# Altium PCB PCB.PcbDoc
Units mm, origin at the board's own origin, x right, y up, seen from the top; angles counter-clockwise.
Board outline 190 x 95 mm, 2 copper layers (Top Layer, Bottom Layer); 98 components, 57 nets, 247 pads, 1 vias.
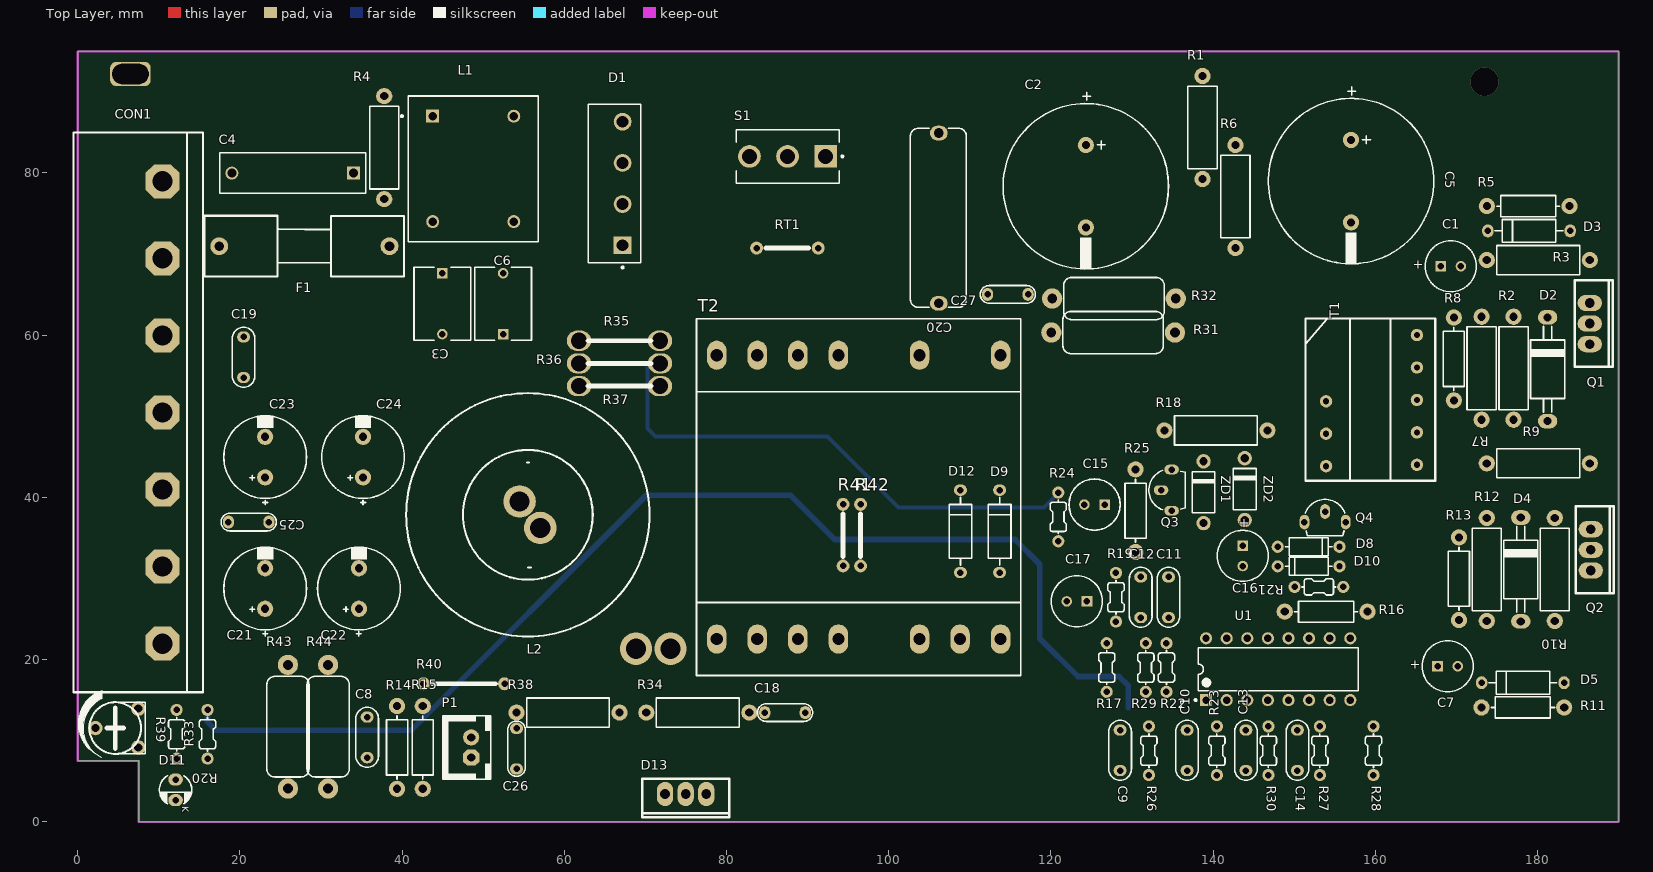
[diagram p0: Top Layer view]
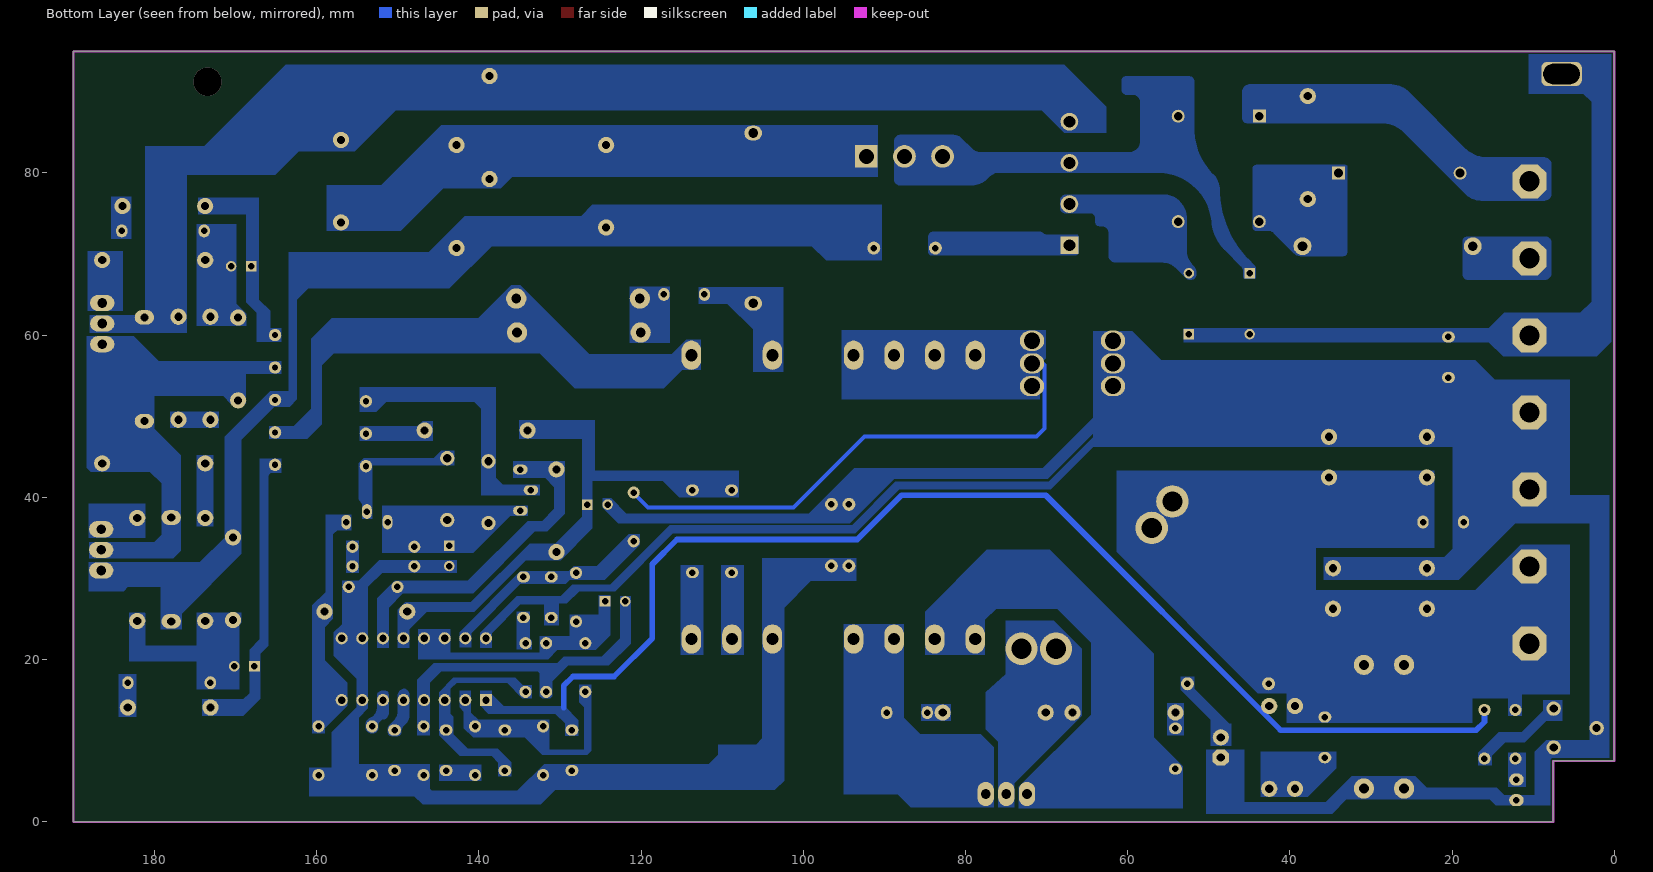
[diagram p1: Bottom Layer view, seen from below]
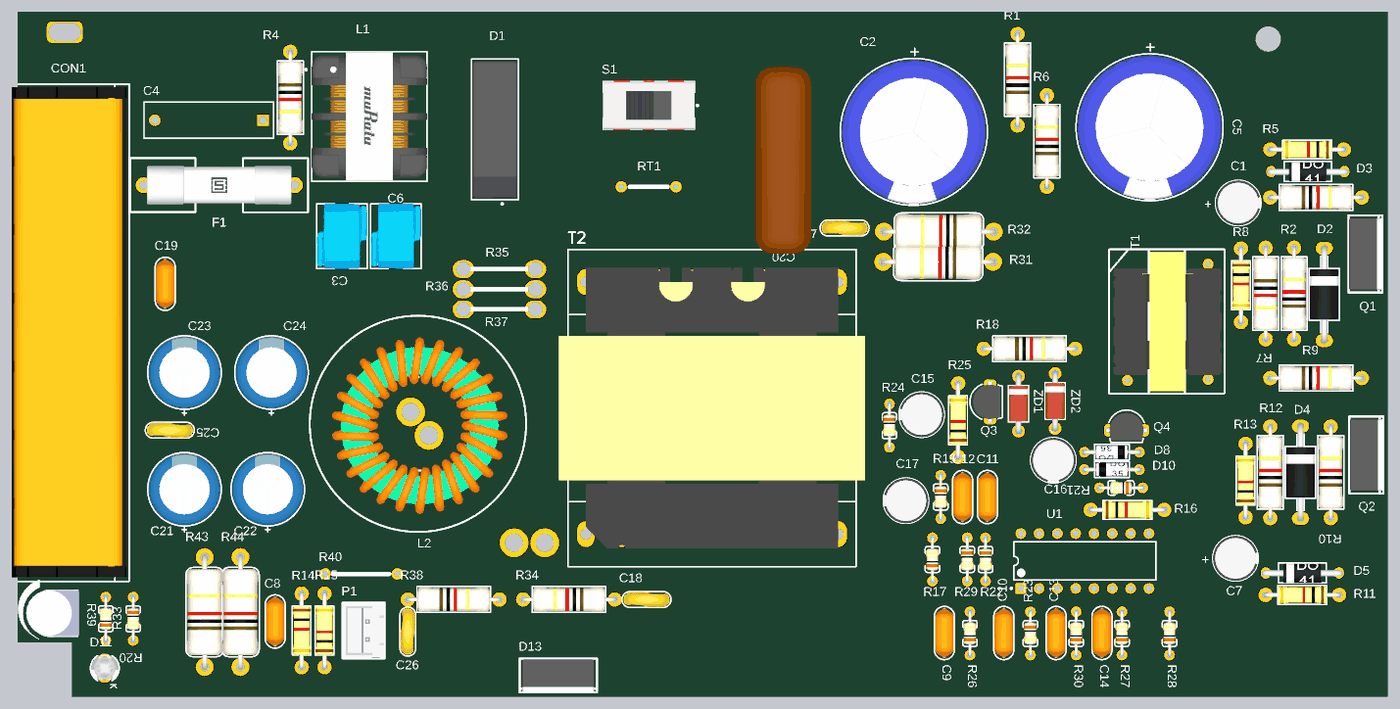
[diagram p2: 3D render of the assembled board from above, using the file's embedded part models]

## Layer stack, top to bottom
Top Solder: solder mask 0.0102, Solder Resist, Dk 3.5
Top Layer: signal copper 0.0356
Dielectric 1: dielectric 0.32, FR-4, Dk 4.8
Bottom Layer: signal copper 0.0356
Bottom Solder: solder mask 0.0102, Solder Resist, Dk 3.5

## Board outline
0,7.499 0,95 190,95 190,0 7.526,0 7.526,7.499

## Design rules (kind name [scope] priority, off if disabled: settings)
Clearance [All] p1: gap=0.254 ignorepadtopadclearanceinfootprint=FALSE except(0: Arc-Hole Track-Hole SMDPad-Hole THPad-Hole Via-Hole Fill-Hole Poly-Hole Region-Hole Text-Hole)
PolygonConnect [All] p1: connectstyle=Direct reliefconductorwidth=0.254 reliefentries=4 polygonreliefangle="90 Angle" airgapwidth=0.254
RoutingVias [All] p1: holewidth=0.711 width=1.27 viastyle="Through Hole" minholewidth=0.711 minwidth=1.27 maxholewidth=0.711 maxwidth=1.27
SolderMaskExpansion [All] p1: expansion=0.102 istentingtop=FALSE
Width [All] p1: maxlimit=4 minlimit=0.254 preferedwidth=0.7
30 further rules are at their usual default settings.

## Components (designator, comment, footprint, x,y, rotation, side; value= is the part's Value field where it differs from the comment)
C1 "4.7uF, 50V" CAP-P2.54-D6 169.291,68.498 r0 top
C2 "330uF, 200V" C_EL_20X35 124.297,78.359 r270 top
C3 "2.2nf, 400V" C_CER_D7C 44.958,63.881 r270 top
C4 "220nF, 305V" CAP-pitch15 26.5,79.978 r180 top
C5 "330uF, 200V" C_EL_20X35 156.995,78.994 r270 top
C6 "2.2nf, 400V" C_CER_D7C 52.451,63.881 r90 top
C7 "4.7uF, 50V" CAP-P2.54-D6 168.91,19.177 r0 top
C8 "33nf, 100V" RAD0.2-1 35.687,10.414 r270 top
C9 "10nf, 100V" RAD0.2-1 128.524,8.815 r270 top
C10 "220pf, 100V" RAD0.2-1 136.779,8.815 r90 top
C11 "10nf, 100V" RAD0.2-1 134.493,27.686 r90 top
C12 "10nf, 100V" RAD0.2-1 131.064,27.686 r90 top
C13 "220nf, 100V" RAD0.2-1 144.037,8.815 r270 top
C14 "1nf, 100V" RAD0.2-1 150.387,8.815 r270 top
C15 "47uF, 50V" CAP-P2.54-D6 125.369,39.116 r180 top
C16 "4.7uF, 50V" CAP-P2.54-D6 143.637,32.786 r270 top
C17 "1uF, 50V" CAP-P2.54-D6 123.19,27.178 r180 top
C18 "4.7nf, 1kV" C_CER_D6B 87.209,13.462 r0 top
C19 "4.7nf, 1kV" RAD0.2-1 20.447,57.277 r90 top
C20 "1uf, 400V" C_PLY_22X7 106.172,74.422 r270 top
C21 "1mF, 16V" RB.2/.6-2 23.114,26.264 r90 top
C22 "1mF, 16V" RB.2/.6-2 34.671,26.264 r90 top
C23 "1mF, 16V" RB.2/.6-2 23.114,42.468 r90 top
C24 "1mF, 16V" RB.2/.6-2 35.179,42.468 r90 top
C25 "" C_CER_D6B 21.082,36.957 r180 top
C26 "4.7nf, 1kV" C_CER_D6B 54.102,9.017 r90 top
C27 "1nf, 1kV" C_CER_D6B 114.681,65.024 r0 top
CON1 "Header 7" BARRIER-TERMINAL-7P 10.454,78.968 r270 top
D1 "KBU610" Diode-12 66.183,78.7 r90 top
D2 "FR157" D_AX05_DO15 181.229,55.798 r90 top
D3 "" D_AX04_DO41 178.943,72.857 r180 top
D4 "FR157" D_AX05_DO15 177.927,31.115 r90 top
D5 "" D_AX04_DO41 178.181,17.145 r180 top
D8 "1N4148" D_AX03_DO35 151.765,33.909 r0 top
D9 "FR107" D_AX04_DO41 113.665,35.814 r90 top
D10 "1N4148" D_AX03_DO35 151.765,31.496 r180 top
D11 "LED RED" LED3MM 12.065,3.937 r270 top
D12 "FR107" D_AX04_DO41 108.839,35.814 r90 top
D13 "MBR20200CT" TO-220ne3 74.96,3.429 r90 top
F1 "250V, 16A" "FUSE -10" 27.94,70.969 r180 top
L1 "200uH" Trans-11 48.768,80.496 r270 top
L2 "25uH" INDUCTOR-6 55.499,38.1 r0 top
P1 "FAN" XH_2 48.514,9.164 r90 top
Q1 "MJE13007" TO-220ne3 186.436,61.427 r180 top
Q2 "MJE13007" TO-220ne3 186.563,33.528 r180 top
Q3 "KSC1815" TO92_3B 134.874,40.894 r90 top
Q4 "KSC1815" TO92_3B 153.797,36.957 r0 top
R1 "150k, 1W" R05W_AX05 138.683,85.598 r270 top
R2 "150k, 1W" R05W_AX05 177.038,55.925 r270 top
R3 "2R2, 1W" R05W_AX05 180.086,69.26 r180 top
R4 "680k, 1/2W" R05W_AX05 37.789,83.123 r90 top
R5 "10R, 1/2W" R025W_AX04 178.843,75.916 r180 top
R6 "150k, 1W" R05W_AX05 142.747,77.089 r270 top
R7 "150k, 1W" R05W_AX05 173.101,55.925 r90 top
R8 "2k7, 1/2W" R025W_AX04 169.672,57.068 r270 top
R9 "150k, 1W" R05W_AX05 180.086,44.196 r180 top
R10 "2R2, 1W" R05W_AX05 182.118,31.115 r270 top
R11 "10R, 1/2W" R025W_AX04 178.181,14.097 r180 top
R12 "150k, 1W" R05W_AX05 173.736,31.115 r270 top
R13 "2k7, 1/2W" R025W_AX04 170.307,29.972 r90 top
R14 "6k8, 1/2W" R025W_AX04 39.37,9.168 r270 top
R15 "680R, 1/2W" R025W_AX04 42.545,9.168 r90 top
R16 "3k9, 1/2W" R025W_AX04 153.924,25.908 r0 top
R17 "5k6, 1/8W" R0125W_AX025 126.873,19.019 r270 top
R18 "1k5, 1W" R05W_AX05 140.335,48.26 r180 top
R19 "68k, 1/8W" R0125W_AX025 128.016,27.686 r90 top
R20 "1k5, 1/8W" R0125W_AX025 16.002,10.795 r90 top
R21 "1k5, 1/8W" R0125W_AX025 153.035,28.956 r0 top
R22 "5k6, 1/8W" R0125W_AX025 134.239,19.019 r90 top
R23 "27k, 1/8W" R0125W_AX025 140.462,8.763 r90 top
R24 "1k, 1/8W" R0125W_AX025 120.904,37.592 r90 top
R25 "3k9, 1/2W" R025W_AX04 130.429,38.354 r90 top
R26 "5k6, 1/8W" R0125W_AX025 132.08,8.763 r270 top
R27 "22k, 1/8W" R0125W_AX025 153.162,8.763 r270 top
R28 "1k5, 1/8W" R0125W_AX025 159.766,8.763 r270 top
R29 "120k, 1/8W" R0125W_AX025 131.699,19.019 r90 top
R30 "10k, 1/8W" R0125W_AX025 146.812,8.763 r270 top
R31 "200R, 1W" R1W_AX06 127.666,60.325 r180 top
R32 "200R, 1W" R1W_AX06 127.762,64.516 r180 top
R33 "2k7, 1/8W" R0125W_AX025 12.192,10.795 r270 top
R34 "10R, 1W" R05W_AX05 76.454,13.462 r0 top
R35 "R005, 3W" J10MM#1 66.802,56.515 r180 top
R36 "Not Assemble" J10MM#1 66.802,59.309 r0 top
R37 "Not Assemble" J10MM#1 66.802,53.721 r180 top
R38 "10R, 1W" R05W_AX05 60.452,13.462 r180 top
R39 "1K" "Pot 00" 4.826,11.557 r90 top
R40 "R0" J10MM#2 47.625,17.018 r180 top
R41 "R0" J7P6MM 94.361,35.343 r270 top
R42 "R0" J7P6MM 96.52,35.343 r270 top
R43 "680R, 2W" R1W_AX06 25.919,11.724 r90 top
R44 "680R, 2W" R1W_AX06 30.872,11.724 r90 top
RT1 "Short Circuit" J7P6MM 87.503,70.739 r0 top
S1 "SW-SPDT" "Switch - SPDT" 87.525,82.042 r180 top
T1 "Transformers 78253 Series_1" EE1916-3 151.384,42.052 r0 top
T2 "Transformers 78253 Series_2" EFD30_12 96.292,40.031 r0 top
U1 "KA7500BD" Dip-16pin 148.016,18.813 r90 top
ZD1 "1N4752A" "Diode 1W" 138.811,40.64 r90 top
ZD2 "1N4752A" "Diode 1W" 143.891,41.021 r90 top

## Footprints (in the part's own frame and the unit in brackets; to place one, negate y for a bottom-side part, rotate by r counter-clockwise, add the part's x,y. Pads: shape width x height; smd on the part's side, far side on the other; paste and mask are expansions set on the pad)
BARRIER-TERMINAL-7P [mm]
  oct 4.2x4.2 hole 2.5: 1(0,0) 1(0,0) 2(9.5,0) 3(19,0) 4(28.5,0) 5(38,0) 6(47.5,0) 7(57,0)
  silkscreen extent -6,-11 63,5, body extent -5.58,-11.31 62.42,4.69, height 18.2
C_CER_D6B [mm] "CAP, CER MULTILAYER, 6X2mm, pitch: 5mm"
  oval 1.4x1.6 hole 0.8 mask+0.075: 1(-2.5,0) 2(2.5,0)
  silkscreen extent -3.4,-1.1 3.4,1.1, body extent -3,-1.05 3,1.05, height 8.1
C_CER_D7C [mm] "CAP, CER MULTILAYER, 7.0X1.7mm, pitch: 5.0mm"
  rect 1.3x1.3 hole 0.8 paste-1000 mask+0: 1(-3.75,0)
  round 1.3 hole 0.8 paste-1000 mask+0: 2(3.75,0)
  silkscreen extent -4.5,-3.5 4.5,3.5, body extent -4.6,-3.6 4.6,3.6, height 0.25
C_EL_20X35 [mm] "Cap Elec, D20.0X35.0H pitch: 10.0mm, RB.4/.8"
  round 2 hole 1: 1(-5.08,0) 2(5.08,0)
  silkscreen extent -11.6,-10.2 10.2,10.2, body extent -10,-9.99 10,10, height 35.8
C_PLY_22X7 [mm] "CAP, POLYESTER, 33.0X7.0mm pitch: 20.0mm, 0.68uF 400V"
  oval 1.8x2.2 hole 1.2: 1(-10.5,0) 2(10.5,0)
  silkscreen extent -11.1,-3.5 11,3.4, body extent -13,-3.9 13,3.9, height 19
CAP-P2.54-D6 [mm] "THD, 2-Leads, Dia 6.3mm, Body Length 11.2mm"
  rect 1.3x1.3 hole 0.8: 1(-1.25,0)
  round 1.3 hole 0.8: 2(1.25,0)
  silkscreen extent -3.15,-3.15 3.15,3.15, body extent -3.15,-3.15 3.16,3.15, height 12.21
CAP-pitch15 [mm] "THD, 2-leads, Body 18x5mm, Pitch 15mm"
  rect 1.6x1.6 hole 1.1: 1(-7.5,0)
  round 1.6 hole 1.1: 2(7.5,0)
  silkscreen extent -9,-2.5 9,2.5, body extent -9,-2.5 9,2.5, height 10.5
D_AX03_DO35 [mm] "DIODE 0.3 INCH SPACING DO35"
  round 1.5 hole 0.8: 1(-3.81,0) 2(3.81,0)
  silkscreen extent -2.89,-1.1 2.89,1.1, body extent -4.09,-0.96 4.09,0.96, height 1.96
D_AX04_DO41 [mm] "DIODE 0.4 INCH SPACING DO-41"
  oval 1.4x1.6 hole 0.8: 1(-5.08,0) 2(5.08,0)
  silkscreen extent -4.2,-1.4 4.2,1.4, body extent -5.68,-1.32 5.68,1.4, height 2.85
D_AX05_DO15 [mm] "DIODE 0.4 INCH SPACING DO-15"
  oval 1.8x2.4 hole 1: 1(-6.4,0) 2(6.4,0)
  silkscreen extent -5.3,-2.1 5.3,2.1, body extent -6.76,-2 6.8,2, height 4
"Diode 1W" [mil]
  round 70 hole 40: 1(-150,0) 2(150,0)
  silkscreen extent -100,-55 100,55, body extent -166,-53 165,53, height 131
Diode-12 [mm]
  rect 2.2x2.2 hole 1.45 paste-1000 mask+0: 1(-7.62,-1)
  round 2.2 hole 1.45 paste-1000 mask+0: 2(-2.54,-1) 3(2.54,-1) 4(7.62,-1)
  silkscreen extent -10.47,-3.25 9.75,3.25, body extent -9.85,-3.35 9.85,3.35, height 0.25
Dip-16pin [mm] "DIP, 16-Leads, Body 19.7x6.6mm, Pitch 2.54mm"
  rect 1.5x1.5 hole 0.9: 1(-3.81,8.89)
  round 1.5 hole 0.9: 2(-3.81,6.35) 3(-3.81,3.81) 4(-3.81,1.27) 5(-3.81,-1.27) 6(-3.81,-3.81) 7(-3.81,-6.35) 8(-3.81,-8.89) 9(3.81,-8.89) 10(3.81,-6.35) 11(3.81,-3.81) 12(3.81,-1.27) 13(3.81,1.27) 14(3.81,3.81) 15(3.81,6.35) 16(3.81,8.89)
  silkscreen extent -3.93,-9.85 2.65,10.31, body extent -3.95,-9.85 3.95,9.85, height 5.08
EE1916-3 [mil]
  round 60 hole 30: 1(100,385.67) 2(100,228.19) 3(100,70.71) 4(540.82,707.15) 5(540.82,549.67) 6(540.82,392.19) 7(540.82,234.71) 8(540.82,77.23)
  silkscreen extent 0,0 630,787, body extent 23,13 613,773, height 664
EFD30_12 [mm] "TRANS, EFD30  30X15X9mm, pitch: 5.08mm"
  oval 2.4x3.6 hole 1.5: 1(17.5,17.5) 2(7.5,17.5) 3(17.5,-17.5) 4(7.5,-17.5) 5(12.5,-17.5) 6(-7.5,-17.5) 6(-2.5,-17.5) 7(-17.5,17.5) 7(-12.5,17.5) 7(-7.5,17.5) 7(-2.5,17.5) 8(-17.5,-17.5) 8(-12.5,-17.5)
  silkscreen extent -20,-22 20,22, body extent -21.25,-19.5 21.25,19.5, height 43.25
"FUSE -10" [mm]
  round 2.2 hole 1.2: 1(-10.5,0) 2(10.5,0)
  silkscreen extent -12.3,-3.76 12.3,3.76, body extent -10.35,-2.75 10.35,2.75, height 0.25
INDUCTOR-6 [mm]
  round 4 hole 2.5: 1(-1.016,1.397) 1(1.531,-1.866) 2(13.335,-16.764) 2(17.59,-16.764)
  silkscreen extent -15,-15.25 15,14.75, body extent -11.92,-12.77 12.43,11.76, height 14.28
J7P6MM [mm] "7.62 mm (300 mil) Jumper wire"
  round 1.6 hole 0.8: 1(-3.8,0) 2(3.8,0)
  silkscreen extent -2.62,0 2.62,0, body extent -4.16,-0.35 4.16,0.35, height 0.85
J10MM#1 [mm] "10.16 mm (400 mil) Jumper wire"
  oval 3x2.5 hole 2: 1(-5,0) 2(5,0)
  silkscreen extent -3.89,0 3.89,0, body extent -5.35,-0.35 5.27,0.35, height 0.85
J10MM#2 [mm] "10.16 mm (400 mil) Jumper wire"
  round 1.6 hole 0.8: 1(-5,0) 2(5,0)
  silkscreen extent -3.89,0 3.89,0, body extent -5.35,-0.35 5.27,0.35, height 0.85
LED3MM [mm] "LED THD 3MM"
  oval 1.5x1.8 hole 0.8: 1(-1.27,0) 2(1.27,0)
  silkscreen extent -1.73,-2 1.73,2, body extent -1.9,-1.9 1.6,1.9, height 6.5
"Pot 00" [mil]
  round 70 hole 40: 1(-94.49,-104.33) 2(94.49,-104.33) 3(0,104.33)
  silkscreen extent -141,-138 181,187, body extent -125,-144 127,145, height 183
R1W_AX06 [mm] "RESISTOR 1 WATT, AXIAL0.6"
  round 2.5 hole 1.2: 1(-7.62,0) 2(7.62,0)
  silkscreen extent -6.2,-2.6 6.2,2.6, body extent -7.97,-2.49 7.97,2.51, height 5
R05W_AX05 [mm] "RESISTOR 0.5 WATT, AXIAL0.5"
  round 2 hole 1: 1(-6.35,0) 2(6.35,0)
  silkscreen extent -5.1,-1.8 5.1,1.8, body extent -6.62,-1.75 6.62,1.75, height 3.5
R025W_AX04 [mm] "RESISTOR 1/4 WATT, AXIAL0.4"
  round 2 hole 1: 1(-5.1,0) 2(5.1,0)
  silkscreen extent -3.9,-1.3 3.9,1.3, body extent -5.38,-1.28 5.38,1.28, height 2.6
R0125W_AX025 [mm] "RESISTOR 1/8 WATT, AXIAL0.25"
  round 1.5 hole 0.8: 1(-3,0) 2(3,0)
  silkscreen extent -2.1,-1 2.1,1, body extent -3.2,-0.9 3.2,0.9, height 1.9
RAD0.2-1 [mm] "CAP, CER MULTILAYER, 7.0X2.6mm, pitch: 5.0mm"
  oval 1.4x1.6 hole 0.8 mask+0.075: 1(-2.5,0) 2(2.5,0)
  silkscreen extent -3.7,-1.4 3.7,1.4, body extent -3.54,-1.3 3.54,1.3, height 9.64
RB.2/.6-2 [mm]
  round 2 hole 1: 1(0,0) 2(5,0)
  silkscreen extent -3.4,-5.1 7.6,5.1, body extent -2.5,-5 7.5,5, height 16
"Switch - SPDT" [mm]
  rect 2.8x2.8 hole 1.85 paste-1000 mask+0: 1(-4.7,0)
  round 2.8 hole 1.85 paste-1000 mask+0: 2(0,0) 3(4.7,0)
  silkscreen extent -6.88,-3.3 6.35,3.3, body extent -6.45,-3.4 6.45,3.4, height 0.25
TO92_3B [mm] "TO-92 BENDED TO-226"
  oval 1.2x1.8 hole 0.8: 1(-2.54,0) 2(0,1.3) 3(2.54,0)
  silkscreen extent -2.44,-1.7 2.44,2.8, body extent -2.84,-1.4 2.84,2.4, height 7.34
TO-220ne3 [mm]
  oval 3x2 hole 1.2: 1(0,2.54) 2(0,0) 3(0,-2.54)
  silkscreen extent -2.85,-5.35 1.85,5.35, body extent -2.98,-5.24 2.04,5.24, height 0.25
Trans-11 [mm]
  rect 1.6x1.6 hole 1.05 paste-1000 mask+0: 1(-6.5,-5)
  round 1.6 hole 1.05 paste-1000 mask+0: 2(-6.5,5) 3(6.5,5) 4(6.5,-5)
  silkscreen extent -9,-8.92 9,8, body extent -9.1,-8.1 9.1,8.1, height 0.25
XH_2 [mm] "PW10-xx-M, JST-BxB-XH-A pitch: 2.5mm"
  oct 2x2 hole 1: 1(-1.25,0)
  round 2 hole 1: 2(1.25,0)
  silkscreen extent -3.9,-2.4 3.9,3.5, body extent -3.75,-2.3 3.75,3.4, height 7

## Part data
C1 C2 C5 C7 C15 C16 C17 C21 C22 C23 C24: library part Cap2, "200V, 330uF", Category=Capacitor, Mounting Style="Through hole"
  C1 C7 C16: Part Number="4.7uF, 50V"
  C2 C5: Part Number="330uF, 200V"
  C15: Part Number="47uF, 50V"
  C17: Part Number="1uF, 50V"
  C21 C22 C23 C24: Part Number="1mF, 16V"
C3 C6: library part Cap, "jn222m", Category=Capacitor, Mounting Style="Through hole", Part Number="2.2nf, 400V"
C4: library part Cap, "mkp62 x2  224 k 305v", Category=Capacitor, Mounting Style="Through hole", Part Number="220nF, 305V"
C8: library part Cap, "2A333j", Category=Capacitor, Mounting Style="Through hole", Part Number="33nf, 100V"
C9 C11 C12: library part Cap, "2A103j", Category=Capacitor, Mounting Style="Through hole", Part Number="10nf, 100V"
C10: library part Cap, "2A221j", Category=Capacitor, Mounting Style="Through hole", Part Number="220pf, 100V"
C13: library part Cap, "2A223j", Category=Capacitor, Mounting Style="Through hole", Part Number="220nf, 100V"
C14: library part Cap, "2A102j", Category=Capacitor, Mounting Style="Through hole", Part Number="1nf, 100V"
C18 C19 C25 C26 C27: library part Cap, Category=Capacitor, Mounting Style="Through hole"
  C18 C19 C26: Part Number="4.7nf, 1kV"
  C27: Part Number="1nf, 1kV"
C20: library part Cap, "ceramic", Category=Capacitor, Mounting Style="Through hole", Part Number="1uf, 400V"
CON1: "Header, 7-Pin", LatestRevisionDate=17-Jul-2002, LatestRevisionNote="Re-released for DXP Platform.", Publisher="Altium Limited"
D1: library part Bridge, "35A, 1200V", MAnufacturer="HY Electronic", Category=Diode, Mounting Style="Through Hole", Part Number=KBU610
D2 D3 D4 D5 D8 D9 D10 D12: library part DIODE5, MAnufacturer="Comchip Technology", Package=DO-15, Category=Diode, Mounting Style="Through hole"
  D2 D4: Part Number=FR157
  D8 D10: Part Number=1N4148
  D9 D12: Part Number=FR107
D11: library part LED0, "Typical INFRARED GaAs LED", Category=LED, Layer=Top, Mounting Style="Through Hole"
D13: library part "Diode 3pin", MAnufacturer=ON, Package=TO-220, Category=Diode, Mounting Style="Through hole", Part Number=MBR20200CT
F1: library part "Fuse 1", "Fuse", Category=Fuse, Part Number="250V, 16A"
L1: library part "Trans Adj", MAnufacturer=click, Category=Inductor, Mounting Style="Through hole", Part Number=200uH
L2: library part Inductor, "260-04930-10E   082-10394-01    click      1929", MAnufacturer=click, Category=Inductor, Mounting Style="Through hole", Part Number=25uH
P1: library part "Header 2", "Header, 2-Pin", Part Number=FAN
Q1 Q2: library part QNPN, MAnufacturer=ON, Package=TO-220, Category=transistor, Mounting Style="Through hole", Part Number=MJE13007
Q3 Q4: library part QNPN, Category=transistor, Mounting Style="Through hole", Part Number=KSC1815
R1 R2 R3 R4 R5 R6 R7 R8 R9 R10 R11 R12 R13 R14 R15 R16 R17 R18 R19 R20 R21 R22 R23 R24 R25 R26 R27 R28 R29 R30 R31 R32 R33 R34 R35 R36 R37 R38 R40 R41 R42 R44: library part Res1, "Resistor", Category=Resistor, Mounting Style="Through hole"
  R1 R2 R6 R7 R9 R12: Part Number="150k, 1W"
  R3 R10: Part Number="2R2, 1W"
  R4: Part Number="680k, 1/2W"
  R5 R11: Part Number="10R, 1/2W"
  R8 R13: Part Number="2k7, 1/2W"
  R14: Part Number="6k8, 1/2W"
  R15: Part Number="680R, 1/2W"
  R16 R25: Part Number="3k9, 1/2W"
  R17 R22 R26: Part Number="5k6, 1/8W"
  R18: Part Number="1k5, 1W"
  R19: Part Number="68k, 1/8W"
  R20 R21 R28: Part Number="1k5, 1/8W"
  R23: Part Number="27k, 1/8W"
  R24: Part Number="1k, 1/8W"
  R27: Part Number="22k, 1/8W"
  R29: Part Number="120k, 1/8W"
  R30: Part Number="10k, 1/8W"
  R31 R32: Part Number="200R, 1W"
  R33: Part Number="2k7, 1/8W"
  R34 R38: Part Number="10R, 1W"
  R35: Part Number="R005, 3W"
  R36 R37: Part Number="Not Assemble"
  R40 R41 R42: Part Number=R0
  R44: Part Number="680R, 2W"
R39: library part "Resistor Variable", "Variable Resistor", Adding Date=137/12/22, Company=ControTec, Designer="Saeid Jorablo"
R43: library part Res1, "NA", Category=Resistor, Mounting Style="Through hole", Part Number=NA
RT1: library part "Res Adj1", Category=Resistor, Part Number="Short Circuit"
S1: "SPDT Subminiature Toggle Switch, Right Angle Mounting, Vertical Actuation", ComponentLink1Description="Manufacturer Link", ComponentLink1URL=http://www.apem.com, DatasheetVersion=05-Dec-2000, LatestRevisionDate=17-Dec-2003, LatestRevisionNote="Schematic revised, PCB Footprint replaced.", PackageDescription="Switch; 4 Leads", PackageReference=TL36WW15050, Published=24-Mar-1999, Publisher="Altium Limited"
U1: "TEXAS INSTRUMENTS - TL494CN - VOLTAGE MODE PWM CONTROLLER, 40V, 16-DIP", Case/Package=N, Frequency=300kHz, MAnufacturer="Texas Instruments", Manufacturer Part Number=TL494CN, Max Operating Temperature=85°C, Max Supply Voltage=40V, Min Operating Temperature=-40°C, Min Supply Voltage=7V, Output Current=200mA, Package Quantity=25, Reference Voltage=5V, Supplier Part Number 1=296-1799-5-ND, Tolerance=5%, Category="Voltage Regulators - Switching", ComponentLink1Description=https://datasheet.ciiva.com/2015/tl494-2015344.pdf?src-supplier=Digi-Key, ComponentLink1URL=https://datasheet.ciiva.com/2015/tl494-2015344.pdf?src-supplier=Digi-Key, ComponentLink2Description=https://datasheet.ciiva.com/15106/getdatasheetpartid-48475-15106722.pdf?src-supplier=Verical, ComponentLink2URL=https://datasheet.ciiva.com/15106/getdatasheetpartid-48475-15106722.pdf?src-supplier=Verical, ComponentLink3Description=https://datasheet.ciiva.com/14171/ed644262-14171131.pdf?src-supplier=Distrelec, ComponentLink3URL=https://datasheet.ciiva.com/14171/ed644262-14171131.pdf?src-supplier=Distrelec, ComponentLink4Description=https://datasheet.ciiva.com/29305/181455-an-01-pl-tl494c-29305529.pdf?src-supplier=Conrad, ComponentLink4URL=https://datasheet.ciiva.com/29305/181455-an-01-pl-tl494c-29305529.pdf?src-supplier=Conrad, ComponentLink5Description=https://datasheet.ciiva.com/1513/1829924-1513075.pdf?src-supplier=Element14, ComponentLink5URL=https://datasheet.ciiva.com/1513/1829924-1513075.pdf?src-supplier=Element14, ComponentLink6Description=https://datasheet.ciiva.com/26229/tl494-26229306.pdf?src-supplier=Avnet+Europe, ComponentLink6URL=https://datasheet.ciiva.com/26229/tl494-26229306.pdf?src-supplier=Avnet+Europe, Duty Cycle=45%, Fall Time=40ns, Height=4.57mm, Lead Free="Lead Free", Length=19.3mm, Max Duty Cycle=45%, Max Frequency=300kHz, Number Of Outputs=2, Number of Pins=16, Output Voltage=40V, Packaging=Rail/Tube, Pricing 1="1=0.53000, 10=0.45000, 25=0.42000, 100=0.31200, 250=0.26400, 500=0.25200, 1000=0.18600, 2500=0.17400, 5000=0.16200 (USD)", Radiation Hardening=No, REACH SVHC="No SVHC", Rise Time=100ns, RoHS=Yes, Stock 1=2444, Supplier 1=Digi-Key, Switching Frequency=300kHz, Topology=Flyback,Push-Pull, Weight=0.03357oz, Width=6.35mm
ZD1 ZD2: library part "D Zener", "25V Zener Diode", Category=Diode, Part Number=1N4752A

## Free pads (board coordinates)
  rrect50% 5x3 hole 2.5 slot 4.5 at 0 deg: 2(6.503,92.202)

## Via types
v1: diameter 3.5, hole 3.5, Top Layer to Bottom Layer, tented both sides, 1 vias

## Nets (pads, with @x,y where several pads share a name; then routed paths per layer and width w, separated by ;. In a path a pad name is that pad's centre, name@x,y a point inside that pad or via, vN(x,y) a via of type N, cw(c..) or ccw(c..) an arc to the next point about the centre after c; other vN are vias at no path point)
AC-L: CON1.2 F1.2
"AC-L\"": C3.1 D1.3 L1.2 S1.2 S1.3
AC-N: C4.2 CON1.1 L1.1 R4.2
"AC-N\"": C6.2 D1.2 L1.3
EARTH: C3.2 C6.1 C19.2 CON1.3 pad.2
GND: C2.2 D4.1 Q2.1 R6.2 R13.2 RT1.2 T1.6
GND-1: C9.2 C14.2 C16.2 D10.2 R21.2 R26.2 R27.2 R28.2 R30.2 R41.2 R42.2 T2.4 U1.7 U1.9 U1.10
GND-O: C12.1 C15.2 C19.1 C21.2 C22.2 C23.2 C24.2 C25.2 CON1.4 CON1.5 D11.2 P1.1 R35.2 R36.1 R37.2 R39.1 R39.3 R41.1 R42.1 R43.1 R44.1 U1.16
GND-O': R24.2 R35.1 R36.2 R37.1 T2.7 | length 64.6
  Bottom Layer w0.5: R35.1@71.12,57.15 70.27,56.3 70.27,48.475 71.247,47.498 92.456,47.498 101.219,38.735 119.126,38.735 R24.2@121.013,40.622
NetC1_1: C1.1 R5.2 T1.4
NetC1_2: C1.2 D3.2 R3.2 R7.2 R8.1
NetC4_1: C4.1 F1.1 L1.4 R4.1
NetC7_1: C7.1 R11.2 T1.8
NetC7_2: C7.2 D5.2 R10.2 R12.2 R13.1
NetC8_2: C8.2 R14.2 R15.1
NetC9_1: C9.1 R15.2 R20.2 U1.1 | length 145.2
  Bottom Layer w0.7: R20.2 16.002,12.319 17.018,11.303 41.148,11.303 70.104,40.259 87.884,40.259 93.345,34.798 115.57,34.798 118.618,31.75 118.618,22.606 123.317,17.907 128.397,17.907 129.54,16.764 129.54,14.097
NetC10_1: C10.1 C13.1 R22.1 U1.3
NetC10_2: C10.2 R17.2 R23.2 R26.1 U1.2
NetC11_1: C11.1 R22.2
NetC11_2: C11.2 C12.2 R19.2 R24.1 U1.15
NetC13_2: C13.2 R23.1
NetC14_1: C14.1 U1.5
NetC16_1: C16.1 D8.1 Q3.1 Q4.1 ZD1.1 ZD2.1
NetC17_2: C17.2 R29.1 R30.1 U1.4
NetC18_1: C18.1 R34.2
NetC18_2: C18.2 D13.3 T2.6
NetC20_2: C20.2 C27.1 T2.2
NetC26_1: C26.1 D13.1 T2.8
NetC26_2: C26.2 R38.2
NetC27_2: C27.2 R31.2 R32.2
NetD1_1: D1.1 RT1.1
NetD2_1: D2.1 D4.2 Q1.1 Q2.2 R8.2 R9.1 T1.5
NetD3_1: D3.1 R5.1
NetD5_1: D5.1 R11.1
NetD8_2: D8.2 D10.1
NetD9_1: D9.1 T2.3
NetD11_1: D11.1 R33.2
NetD12_1: D12.1 T2.5
NetD13_2: D13.2 L2.2 R34.1 R38.1
NetP1_2: P1.2 R40.1
NetQ1_3: Q1.3 R3.1
NetQ2_3: Q2.3 R10.1
NetQ3_2: Q3.2 T1.1 ZD1.2
NetQ3_3: Q3.3 R21.1 R25.2 U1.11
NetQ4_2: Q4.2 T1.3 ZD2.2
NetQ4_3: Q4.3 R16.2 R28.1 U1.8
NetR2_2: R2.2 R7.1
NetR9_2: R9.2 R12.1
NetR18_1: R18.1 T1.2
NetR20_1: R20.1 R39.2
NetR27_1: R27.1 U1.6
NetR31_1: R31.1 R32.1 T1.7 T2.1
V2: C2.1 C5.2 C20.1 R1.2 R6.1 S1.1
Vcc: C15.1 D9.2 D12.2 R16.1 R18.2 R25.1 U1.12
Vdc: C5.1 D1.4 D2.2 Q1.2 R1.1 R2.1
Vout: C8.1 C21.1 C22.1 C23.1 C24.1 C25.1 CON1.6 CON1.7 L2.1 R14.1 R33.1 R40.2 R43.2 R44.2
Vref: C17.1 R17.1 R19.1 R29.2 U1.13 U1.14
copper on no net:
  other v1: 173.45,91.244

## Polygon pours and split planes (outlines as drawn)
GND-O on Bottom Layer "NONET_L-01_P-001" (solid, pour order 26): 64.262,60.452 59.436,60.452 55.88,56.896 17.145,56.896 14.732,54.483 5.461,54.483 5.461,40.259 0.635,40.259 0.635,7.874 7.747,7.874 7.747,2.032 14.605,2.032 15.367,2.794 33.02,2.794 34.798,1.016 50.292,1.016 50.292,8.89 45.593,8.89 45.593,2.413 35.56,2.413 32.385,5.588 24.511,5.588 23.114,4.191 14.478,4.191 13.589,3.302 9.779,3.302 9.779,8.636 8.382,10.033 3.048,10.033 3.048,36.83 12.192,36.83 19.177,29.845 35.814,29.845 35.814,32.639 20.955,32.639 19.939,33.655 19.939,46.228 64.262,46.228
NetC10_1 on Bottom Layer "NONET_L-01_P-001" (solid, pour order 47): 136.017,7.366 137.668,9.017 141.351,9.017 143.129,10.795 143.129,12.954 143.51,13.335 143.51,16.383 142.748,17.145 136.525,17.145 134.62,15.24 133.477,15.24 133.477,16.836 134.565,16.836 135.509,17.78 143.129,17.78 144.907,16.002 144.907,10.668 142.367,8.128 138.43,8.128 137.587,7.285 137.587,5.588 136.017,5.588
NetP1_2 on Bottom Layer "NONET_L-01_P-001" (solid, pour order 31): 49.784,9.398 47.244,9.398 47.244,12.065 47.498,12.065 51.816,16.383 51.816,17.907 53.467,17.907 53.467,16.256 49.784,12.573
NetD11_1 on Bottom Layer "NONET_L-01_P-001" (solid, pour order 28): 10.922,8.509 10.922,4.318 13.081,4.318 13.081,8.509
Vout on Bottom Layer "NONET_L-01_P-001" (solid, pour order 27): 22.193,43.307 22.193,33.782 36.83,33.782 36.83,28.575 17.145,28.575 11.557,34.163 5.461,34.163 5.461,15.748 11.43,15.748 11.43,13.081 13.081,13.081 13.081,15.24 17.526,15.24 17.526,12.192 40.358,12.192 40.358,15.875 43.942,15.875 61.341,33.274 61.341,43.307
EARTH on Bottom Layer "NONET_L-01_P-001" (solid, pour order 25): 53.086,60.833 15.494,60.833 13.589,62.738 4.191,62.738 2.794,64.135 2.794,88.773 3.81,89.789 10.541,89.789 10.541,94.869 0.127,94.869 0.127,59.436 2.159,57.404 13.716,57.404 15.46,59.148 53.086,59.148
GND-O' on Bottom Layer "NONET_L-01_P-001" (solid, pour order 22): 95.25,60.579 70.104,60.579 70.104,57.15 70.866,56.388 70.866,52.07 95.25,52.07
NetD13_2 on Bottom Layer "NONET_L-01_P-001" (solid, pour order 35): 73.973,1.778 73.973,4.767 65.659,13.081 65.659,21.336 69.088,24.765 75.057,24.765 75.057,18.161 77.47,16.002 77.47,11.383 75.946,9.859 75.946,1.778
GND-O on Bottom Layer "NONET_L-01_P-001" (solid, pour order 60): 63.881,47.752 69.723,41.91 88.646,41.91 93.98,36.576 116.459,36.576 123.825,29.21 128.5,29.21 129.897,27.813 130.175,27.813 130.175,26.924 129.159,26.924 127.635,28.448 123.19,28.448 116.078,35.56 93.599,35.56 88.138,41.021 69.469,41.021 64.262,46.228
GND-O on Bottom Layer "NONET_L-01_P-001" (solid, pour order 59): 123.698,39.878 121.793,37.973 99.314,37.973 93.726,43.561 70.485,43.561 64.135,49.911 63.119,49.911 63.119,48.133 64.008,48.133 69.85,42.291 88.773,42.291 94.234,36.83 122.809,36.83 124.714,38.735 124.714,39.878
NetC11_1 on Bottom Layer "NONET_L-01_P-001" (solid, pour order 58): 133.693,25.908 133.693,22.568 133.477,22.352 133.477,21.276 135.299,21.276 135.299,25.908
NetC9_1 on Bottom Layer "NONET_L-01_P-001" (solid, pour order 57): 139.827,16.129 139.827,14.351 138.811,13.335 130.556,13.335 129.36,12.139 129.36,10.611 127.727,10.611 127.727,12.538 129.413,14.224 136.906,14.224 138.43,15.748 138.43,16.129
GND-O on Bottom Layer "NONET_L-01_P-001" (solid, pour order 56): 139.827,21.463 139.827,23.29 135.304,27.813 130.175,27.813 130.175,24.257 131.953,24.257 131.953,26.797 134.874,26.797 138.43,23.241 138.43,21.463
Vref on Bottom Layer "NONET_L-01_P-001" (solid, pour order 55): 147.447,20.066 131.445,20.066 130.302,21.209 125.603,21.209 123.825,22.987 123.825,27.94 125.222,27.94 125.222,25.527 128.778,25.527 128.778,22.86 132.461,22.86 132.461,20.828 143.51,20.828 143.51,23.73 147.447,23.73
NetC11_2 on Bottom Layer "NONET_L-01_P-001" (solid, pour order 54): 142.367,23.368 134.874,30.861 128.905,30.861 128.27,31.496 125.476,31.496 121.539,35.433 120.142,35.433 120.142,34.163 124.46,29.845 128.778,29.845 129.286,29.337 134.874,29.337 140.96,23.251 140.96,21.534 142.367,21.534
NetC17_2 on Bottom Layer "NONET_L-01_P-001" (solid, pour order 53): 146.05,10.668 146.05,17.145 144.653,18.542 132.715,18.542 132.461,18.288 132.461,15.494 132.207,15.24 131.191,15.24 130.937,15.494 130.937,17.335 128.968,19.304 123.952,19.304 121.285,21.971 121.285,27.813 122.555,27.813 122.555,22.606 124.841,20.32 129.54,20.32 130.302,19.558 145.542,19.558 147.574,17.526 147.574,10.668
Vcc on Bottom Layer "NONET_L-01_P-001" (solid, pour order 52): 107.95,40.005 115.316,40.005 117.348,42.037 125.984,42.037 125.984,36.195 129.921,32.258 134.239,32.258 140.589,25.908 146.431,25.908 148.59,23.749 148.59,21.463 149.987,21.463 149.987,26.162 149.098,27.051 140.97,27.051 133.731,34.29 130.556,34.29 127.254,37.592 127.254,47.244 135.001,47.244 135.001,49.53 125.73,49.53 125.73,43.307 107.95,43.307
NetQ3_3 on Bottom Layer "NONET_L-01_P-001" (solid, pour order 51): 129.413,44.45 129.413,37.973 131.572,35.814 133.096,35.814 140.716,28.194 149.352,28.194 151.13,26.416 151.13,21.463 152.527,21.463 152.527,27.559 150.368,29.718 141.351,29.718 133.985,37.084 132.207,37.084 130.683,38.608 130.683,41.275 131.826,42.418 135.763,42.418 135.763,44.45
NetC16_1 on Bottom Layer "NONET_L-01_P-001" (solid, pour order 50): 151.892,38.989 135.89,38.989 133.985,38.989 133.985,37.719 136.144,37.719 140.716,33.147 151.892,33.147
NetD8_2 on Bottom Layer "NONET_L-01_P-001" (solid, pour order 49): 156.337,34.671 154.813,34.671 154.813,30.734 156.337,30.734
NetC10_2 on Bottom Layer "NONET_L-01_P-001" (solid, pour order 48): 140.97,16.129 140.97,13.462 140.081,12.573 131.318,12.573 131.318,8.89 127,8.89 127,14.097 127.635,14.732 127.635,16.891 126.111,16.891 126.111,8.763 126.619,8.255 132.207,8.255 134.366,10.414 140.716,10.414 141.859,11.557 141.859,13.589 142.367,14.097 142.367,16.129
NetC13_2 on Bottom Layer "NONET_L-01_P-001" (solid, pour order 46): 144.852,5.08 144.852,7.032 139.7,7.032 139.7,5.08
NetC14_1 on Bottom Layer "NONET_L-01_P-001" (solid, pour order 45): 149.987,15.621 149.987,13.607 ccw(c151.564,13.607) 150.449,12.492 151.04,11.901 cw(c150.517,11.377) 151.257,11.377 151.257,11.176 cw(c150.622,11.176) 150.622,10.541 150.114,10.541 cw(c150.114,11.114) 149.541,11.114 ccw(c148.49,11.114) 149.233,11.858 149.003,12.088 cw(c149.999,13.084) 148.59,13.084 148.59,15.748 cw(c149.225,15.748) 149.225,16.383 cw(c149.225,15.621)
NetR27_1 on Bottom Layer "NONET_L-01_P-001" (solid, pour order 44): 153.387,12.807 cw(c153.924,14.097) 152.527,14.097 152.527,15.621 ccw(c152.019,15.621) 152.019,16.129 151.547,16.129 ccw(c151.547,15.712) 151.13,15.712 151.13,13.335 ccw(c151.821,13.335) 151.821,12.644 cw(c151.511,11.811) 152.4,11.811 152.4,11.557 ccw(c153.035,11.557) 153.035,10.922 153.289,10.922 ccw(c153.289,11.557) 153.924,11.557 153.924,12.001 ccw(c153.051,12.001)
NetQ4_3 on Bottom Layer "NONET_L-01_P-001" (solid, pour order 43): 159.004,10.922 159.004,11.523 156.21,14.317 156.21,17.145 159.004,19.939 159.004,24.003 157.988,25.019 157.988,35.433 157.48,35.941 155.702,35.941 155.702,37.846 158.877,37.846 158.877,28.321 160.528,26.67 160.528,10.922
NetQ4_2 on Bottom Layer "NONET_L-01_P-001" (solid, pour order 42): 154.813,39.751 154.397,39.126 154.397,37.338 153.162,37.338 153.162,43.942 143.002,43.942 143.002,45.72 144.653,45.72 145.542,44.831 154.178,44.831 154.813,44.196
NetR18_1 on Bottom Layer "NONET_L-01_P-001" (solid, pour order 41): 154.686,48.768 147.574,48.768 146.939,49.403 145.669,49.403 145.669,46.99 154.686,46.99
NetQ3_2 on Bottom Layer "NONET_L-01_P-001" (solid, pour order 40): 154.686,50.546 154.686,53.594 137.922,53.594 137.922,42.418 137.033,41.529 132.461,41.529 132.461,40.251 139.7,40.251 139.7,50.927 140.589,51.816 151.384,51.816 152.654,50.546
GND-1 on Bottom Layer "NONET_L-01_P-001" (solid, pour order 39): 93.472,32.512 93.472,29.718 99.06,29.718 102.362,26.416 102.362,5.08 103.505,3.937 130.556,3.937 132.334,2.159 146.939,2.159 147.955,3.175 160.909,3.175 160.909,6.645 158.128,6.645 158.128,11.036 155.067,14.097 155.067,17.653 157.861,20.447 157.861,23.368 156.845,24.384 156.845,29.718 154.813,29.718 152.273,32.258 142.748,32.258 142.748,30.734 151.892,30.734 153.67,28.956 153.67,13.97 154.813,12.827 154.813,7.112 146.05,7.112 146.05,4.064 145.796,3.81 135.255,3.81 131.953,7.112 111.633,7.112 110.49,8.255 110.49,9.525 105.791,9.525 105.029,10.287 105.029,32.512
NetD9_1 on Bottom Layer "NONET_L-01_P-001" (solid, pour order 38): 112.315,20.574 112.315,31.623 115.109,31.623 115.109,20.574
NetD12_1 on Bottom Layer "NONET_L-01_P-001" (solid, pour order 37): 107.315,20.574 107.315,31.623 110.109,31.623 110.109,20.574
NetC26_1 on Bottom Layer "NONET_L-01_P-001" (solid, pour order 36): 73.406,4.318 64.516,13.208 64.516,22.098 68.707,26.289 76.2,26.289 77.597,24.892 77.597,20.574 84.963,20.574 84.963,25.908 77.343,33.528 69.596,33.528 56.769,20.701 56.769,10.414 53.213,6.858 53.213,1.69 73.406,1.69
NetC18_1 on Bottom Layer "NONET_L-01_P-001" (solid, pour order 34): 85.471,14.478 85.471,12.446 81.788,12.446 81.788,14.478
NetC18_2 on Bottom Layer "NONET_L-01_P-001" (solid, pour order 33): 87.63,24.384 87.63,12.827 85.598,10.795 78.105,10.795 76.505,9.195 76.505,1.819 86.752,1.819 88.332,3.399 94.996,3.399 94.996,24.384
NetC26_2 on Bottom Layer "NONET_L-01_P-001" (solid, pour order 32): 55.118,14.605 53.086,14.605 53.086,10.668 55.118,10.668
NetC8_2 on Bottom Layer "NONET_L-01_P-001" (solid, pour order 30): 43.561,3.084 37.81,3.084 34.29,6.604 34.29,8.636 43.561,8.636
NetR20_1 on Bottom Layer "NONET_L-01_P-001" (solid, pour order 29): 16.764,6.985 15.113,6.985 15.113,8.128 13.462,9.779 11.049,9.779 8.382,12.446 6.418,12.446 6.418,14.986 8.763,14.986 8.763,13.716 11.43,11.049 14.224,11.049 16.764,8.509
NetC20_2 on Bottom Layer "NONET_L-01_P-001" (solid, pour order 24): 109.347,63.881 106.172,60.706 106.172,55.499 102.489,55.499 102.489,65.913 112.903,65.913 112.903,63.881
NetC27_2 on Bottom Layer "NONET_L-01_P-001" (solid, pour order 23): 116.473,59.055 116.473,65.981 121.412,65.981 121.412,59.055
NetR31_1 on Bottom Layer "NONET_L-01_P-001" (solid, pour order 21): 162.814,48.768 160.655,50.927 160.655,59.563 158.115,62.103 140.081,62.103 136.017,66.167 134.874,66.167 126.365,57.658 116.205,57.658 114.427,59.436 112.649,59.436 112.649,55.753 114.935,55.753 117.221,53.467 128.143,53.467 132.461,57.785 157.861,57.785 159.385,56.261 159.385,49.022 161.163,47.244 165.862,47.244 165.862,48.768
NetC7_1 on Bottom Layer "NONET_L-01_P-001" (solid, pour order 20): 169.037,15.113 168.274,15.876 168.274,21.21 167.005,22.479 167.005,44.761 164.338,44.761 164.338,43.053 165.354,43.053 cw(c165.354,42.418) 165.989,42.418 165.989,21.717 166.97,20.736 166.97,15.148 169.037,13.081 174.117,13.081 174.117,15.113
NetC7_2 on Bottom Layer "NONET_L-01_P-001" (solid, pour order 19): 183.114,25.781 181.102,25.781 181.102,21.717 174.752,21.717 174.752,25.781 169.291,25.781 169.291,24.511 169.545,24.257 169.545,16.333 174.752,16.333 174.752,19.812 183.114,19.812
NetD5_1 on Bottom Layer "NONET_L-01_P-001" (solid, pour order 18): 184.404,18.161 182.245,18.161 182.245,12.954 184.404,12.954
NetR2_2 on Bottom Layer "NONET_L-01_P-001" (solid, pour order 17): 178.054,50.58 172.085,50.58 172.085,48.568 178.054,48.568
NetR9_2 on Bottom Layer "NONET_L-01_P-001" (solid, pour order 16): 174.752,36.449 172.72,36.449 172.72,45.212 174.752,45.212
NetQ2_3 on Bottom Layer "NONET_L-01_P-001" (solid, pour order 15): 181.102,35.052 181.102,39.243 188.087,39.243 188.087,35.052
NetD2_1 on Bottom Layer "NONET_L-01_P-001" (solid, pour order 14): 182.566,59.884 179.446,56.764 164.357,56.764 164.357,55.245 168.733,55.245 168.733,51.562 170.561,51.562 171.504,52.505 180.032,52.505 180.032,48.46 176.763,45.191 176.763,33.422 177.662,32.523 188.055,32.523 188.055,34.49 180.013,34.49 179.124,35.379 179.124,41.71 180.594,43.18 187.833,43.18 188.324,43.671 188.324,59.884
NetQ1_3 on Bottom Layer "NONET_L-01_P-001" (solid, pour order 13): 183.896,62.992 183.896,70.358 188.214,70.358 188.214,62.992
NetD3_1 on Bottom Layer "NONET_L-01_P-001" (solid, pour order 12): 185.293,77.089 185.293,71.882 182.88,71.882 182.88,77.089
NetC1_2 on Bottom Layer "NONET_L-01_P-001" (solid, pour order 11): 174.752,73.66 169.892,73.66 169.892,63.852 168.656,62.616 168.656,61.157 174.752,61.157
NetC1_1 on Bottom Layer "NONET_L-01_P-001" (solid, pour order 10): 164.338,60.833 165.735,60.833 165.735,62.992 167.132,64.389 167.132,76.962 174.57,76.962 174.57,74.93 168.679,74.93 168.679,64.031 167.386,62.738 167.386,59.182 164.338,59.182
GND on Bottom Layer "NONET_L-01_P-001" (solid, pour order 9): 90.297,69.215 90.297,76.073 125.984,76.073 127.381,74.676 141.732,74.676 146.177,70.231 163.449,70.231 163.449,53.086 165.735,53.086 171.323,47.498 171.323,35.052 174.401,31.974 188.087,31.974 188.087,28.448 183.769,28.448 183.261,28.956 179.197,28.956 179.197,23.749 176.657,23.749 176.657,25.654 169.291,33.02 169.291,47.117 165.227,51.181 163.322,51.181 162.433,52.07 162.433,64.389 161.036,65.786 143.637,65.786 138.43,70.993 98.933,70.993 97.155,69.215
V2 on Bottom Layer "NONET_L-01_P-001" (solid, pour order 8): 158.75,72.898 149.606,72.898 144.399,78.105 137.287,78.105 135.89,79.502 90.805,79.502 90.805,85.852 144.653,85.852 152.019,78.486 158.75,78.486
Vdc on Bottom Layer "NONET_L-01_P-001" (solid, pour order 7): 67.818,84.963 70.612,87.757 150.241,87.757 155.321,82.677 162.179,82.677 165.1,79.756 176.022,79.756 176.022,60.325 187.96,60.325 187.96,62.484 181.102,62.484 181.102,83.312 173.863,83.312 163.83,93.345 67.818,93.345 62.611,88.138 62.611,84.963
"AC-N\"" on Bottom Layer "NONET_L-01_P-001" (solid, pour order 6): 67.564,77.343 55.626,77.343 ccw(c55.626,74.422) 52.705,74.422 52.705,70.291 cw(c50.414,70.291) 52.034,68.671 51.869,68.506 ccw(c52.609,67.765) 51.562,67.765 51.562,67.437 ccw(c52.197,67.437) 52.197,66.802 ccw(c52.197,67.722) 52.847,67.071 53.997,68.221 cw(c55.784,66.434) 55.784,68.961 61.462,68.961 ccw(c61.462,69.856) 62.357,69.856 62.357,72.644 cw(c63.119,72.644) 63.119,73.406 63.373,73.406 ccw(c63.373,74.041) 64.008,74.041 64.008,74.422 cw(c64.643,74.422) 64.643,75.057 67.691,75.057 ccw(c67.691,75.692) 68.326,75.692 68.326,76.581 ccw(c67.564,76.581)
NetD1_1 on Bottom Layer "NONET_L-01_P-001" (solid, pour order 5): 66.294,72.39 69.999,72.39 ccw(c69.999,72.951) 70.395,72.554 cw(c70.918,72.031) 70.919,72.771 83.947,72.771 cw(c83.947,72.136) 84.582,72.136 84.582,70.231 cw(c84.201,70.231) 84.201,69.85 66.421,69.85 cw(c66.421,70.231) 66.04,70.231 66.04,72.136 cw(c66.294,72.136)
"AC-L\"" on Bottom Layer "NONET_L-01_P-001" (solid, pour order 4): 44.196,67.183 44.196,68.203 cw(c44.799,68.203) 44.373,68.63 45.094,69.351 ccw(c36.531,77.914) 48.641,77.914 cw(c51.248,77.914) 49.405,79.758 ccw(c43.583,85.579) 51.816,85.579 51.816,91.313 cw(c52.451,91.313) 52.451,91.948 60.198,91.948 cw(c60.198,91.44) 60.706,91.44 60.706,90.17 cw(c60.198,90.17) 60.198,89.662 59.436,89.662 ccw(c59.436,88.646) 58.42,88.646 58.42,83.947 ccw(c59.817,83.947) 59.817,82.55 77.979,82.55 ccw(c77.979,84.387) 79.278,83.088 80.376,84.186 cw(c81.639,82.922) 81.639,84.709 88.011,84.709 cw(c88.011,83.947) 88.773,83.947 88.773,79.121 cw(c88.138,79.121) 88.138,78.486 79.152,78.486 cw(c79.152,81.013) 77.365,79.226 77.104,79.487 ccw(c75.841,78.224) 75.841,80.01 56.261,80.01 ccw(c56.261,73.361) 49.64,73.965 cw(c44.033,74.476) 48.303,70.806 cw(c43.657,74.799) 47.988,70.467 46.027,68.506 ccw(c46.766,67.766) 45.72,67.765 45.72,67.183 cw(c45.466,67.183) 45.466,66.929 44.45,66.929 cw(c44.45,67.183)
NetC4_1 on Bottom Layer "NONET_L-01_P-001" (solid, pour order 3): 32.893,80.645 32.893,70.358 ccw(c33.528,70.358) 33.528,69.723 38.555,69.723 ccw(c38.555,71.076) 39.512,70.119 41.984,72.591 cw(c42.725,71.851) 42.725,72.898 44.196,72.898 ccw(c44.196,73.279) 44.577,73.279 44.577,80.518 ccw(c44.069,80.518) 44.069,81.026 33.274,81.026 ccw(c33.274,80.645)
AC-L on Bottom Layer "NONET_L-01_P-001" (solid, pour order 2): 7.747,71.374 7.747,67.691 ccw(c8.636,67.691) 8.636,66.802 18.034,66.802 ccw(c18.034,67.437) 18.669,67.437 18.669,71.628 ccw(c18.161,71.628) 18.161,72.136 8.509,72.136 ccw(c8.509,71.374)
AC-N on Bottom Layer "NONET_L-01_P-001" (solid, pour order 0): 8.636,81.915 15.665,81.915 ccw(c15.665,85.796) 18.409,83.052 25.369,90.012 cw(c27.59,87.792) 27.59,90.932 44.958,90.932 cw(c44.958,90.043) 45.847,90.043 45.847,86.741 cw(c45.212,86.741) 45.212,86.106 28.596,86.106 ccw(c28.596,82.376) 25.958,85.013 18.356,77.411 cw(c16.352,79.415) 16.352,76.581 8.636,76.581 cw(c8.636,77.47) 7.747,77.47 7.747,81.026 cw(c8.636,81.026)

## Keep-outs
Keep-Out Layer:
  lines w0.254: 0,7.499 0,95 190,95 190,0 7.526,0 ; 0.021,7.499 7.526,7.499 7.526,-0.006

## Text inside footprints (layer, text, board x,y; h text height)
C1: Top Overlay "+" at 164.591,67.748 h2
C7: Top Overlay "+" at 164.21,18.427 h2
C16: Top Overlay "+" at 142.887,37.486 h2 r270
D11: Top Overlay "K" at 12.865,1.937 h0.8 r270